# KiCad board scanhead_pcb.kicad_pcb (continued)
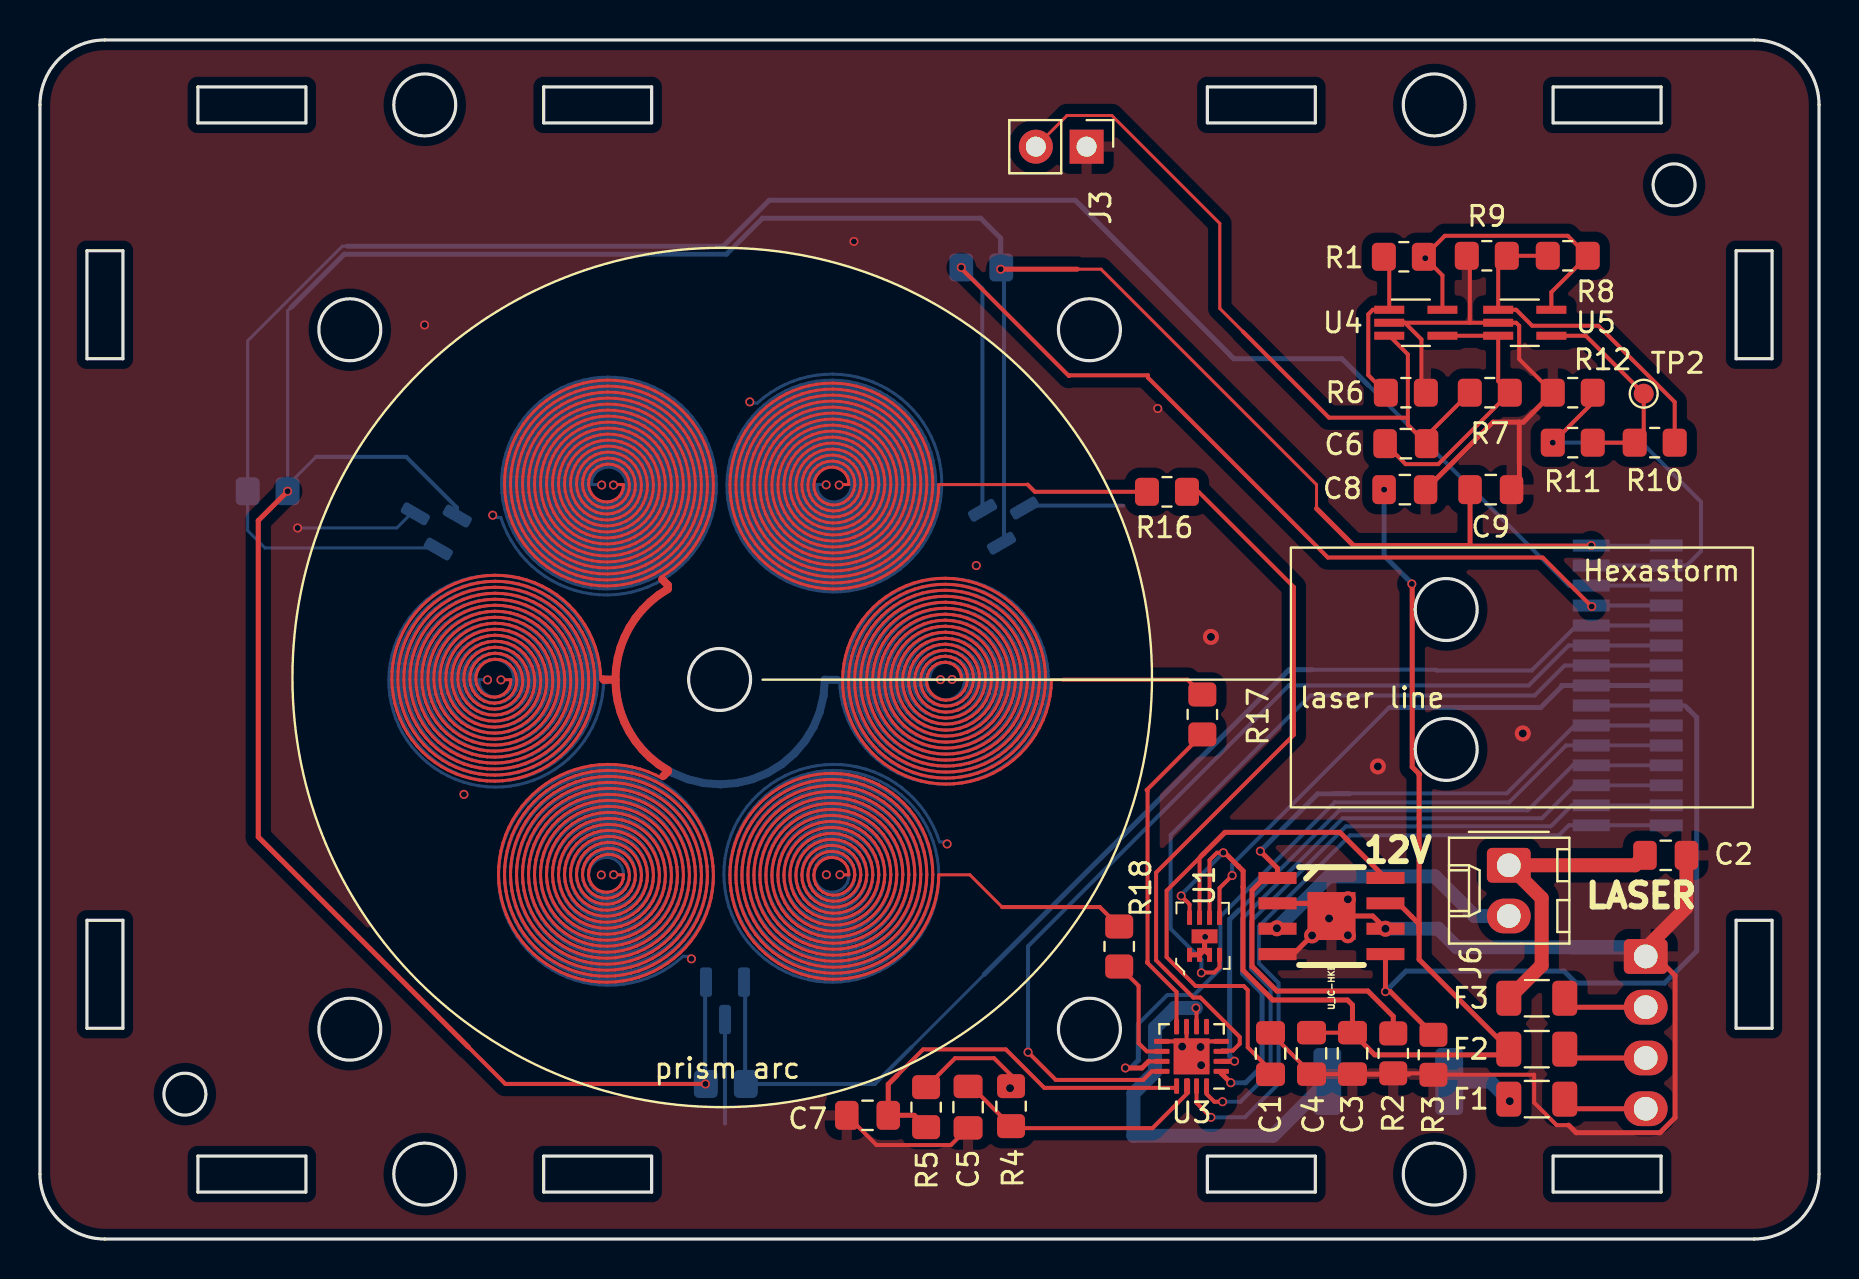
[diagram p0: board, top side]
## Routing (per net, layer and track width the routed paths; a pad name or vN(x,y) marks a point on that pad's centre or on a via; arc(x,y) is an arc through that point) (continued)
  Top w0.15: 40.01,37.75 40.46,37.75 40.45,37.96 40.38,38.17 40.26,38.35 40.09,38.49 39.89,38.59 39.66,38.63 39.43,38.61 39.21,38.53 39.02,38.4 38.86,38.22 38.76,38 38.71,37.75 38.73,37.5 38.82,37.27 38.97,37.06 39.16,36.89 39.4,36.78 39.66,36.73 39.93,36.75 40.19,36.84 40.42,37 40.6,37.22 40.71,37.47 40.76,37.75 40.75,38 40.67,38.24 40.55,38.46 40.38,38.65 40.16,38.79 39.92,38.89 39.66,38.93 39.4,38.91 39.15,38.83 38.91,38.7 38.71,38.51 38.56,38.29 38.46,38.03 38.41,37.75 38.44,37.47 38.52,37.2 38.66,36.95 38.86,36.74 39.1,36.58 39.37,36.47 39.66,36.43 39.96,36.45 40.25,36.54 40.51,36.69 40.73,36.9 40.91,37.16 41.02,37.44 41.06,37.75 41.05,38.03 40.98,38.3 40.85,38.55 40.68,38.77 40.47,38.96 40.22,39.1 39.95,39.19 39.66,39.23 39.37,39.21 39.09,39.13 38.83,39 38.59,38.82 38.4,38.6 38.25,38.34 38.15,38.05 38.11,37.75 38.14,37.45 38.22,37.15 38.35,36.88 38.54,36.63 38.78,36.43 39.05,36.27 39.35,36.17 39.66,36.13 39.98,36.15 40.29,36.24 40.58,36.38 40.84,36.58 41.05,36.82 41.22,37.11 41.32,37.42 41.36,37.75 41.35,38.05 41.28,38.34 41.16,38.62 40.99,38.87 40.78,39.09 40.54,39.27 40.27,39.41 39.97,39.49 39.66,39.53 39.35,39.51 39.05,39.44 38.76,39.31 38.5,39.14 38.27,38.92 38.08,38.67 37.94,38.38 37.85,38.07 37.81,37.75 37.83,37.43 37.91,37.12 38.04,36.82 38.22,36.54 38.45,36.3 38.71,36.11 39.01,35.96 39.33,35.87 39.66,35.83 40,35.85 40.33,35.93 40.64,36.07 40.92,36.25 41.17,36.49 41.37,36.77 41.53,37.08 41.63,37.41 41.66,37.75 41.65,38.07 41.58,38.38 41.47,38.67 41.31,38.95 41.11,39.19 40.87,39.41 40.6,39.58 40.3,39.71 39.99,39.8 39.66,39.83 39.34,39.81 39.02,39.74 38.71,39.62 38.43,39.46 38.17,39.25 37.95,39 37.77,38.72 37.63,38.41 37.55,38.09 37.51,37.75 37.53,37.42 37.61,37.08 37.73,36.77 37.9,36.47 38.12,36.21 38.37,35.98 38.66,35.79 38.98,35.65 39.32,35.56 39.66,35.53 40.01,35.55 40.36,35.62 40.68,35.75 40.99,35.93 41.26,36.15 41.5,36.42 41.69,36.72 41.84,37.05 41.93,37.4 41.96,37.75 41.95,38.08 41.88,38.41 41.78,38.72 41.62,39.01 41.43,39.28 41.2,39.52 40.93,39.73 40.64,39.9 40.33,40.02 40,40.1 39.66,40.13 39.33,40.11 38.99,40.05 38.67,39.93 38.37,39.77 38.09,39.57 37.84,39.34 37.63,39.06 37.45,38.76 37.33,38.44 37.25,38.1 37.21,37.75 37.23,37.4 37.3,37.06 37.42,36.73 37.58,36.41 37.79,36.13 38.03,35.87 38.31,35.65 38.62,35.48 38.96,35.34 39.31,35.26 39.66,35.23 40.02,35.25 40.38,35.32 40.72,35.44 41.04,35.61 41.34,35.82 41.6,36.07 41.83,36.36 42.01,36.68 42.15,37.03 42.23,37.38 42.26,37.75 42.25,38.09 42.19,38.43 42.08,38.76 41.94,39.07 41.75,39.36 41.53,39.62 41.27,39.85 40.99,40.05 40.68,40.21 40.35,40.33 40.01,40.4 39.66,40.43 39.31,40.41 38.97,40.35 38.63,40.24 38.31,40.09 38.02,39.9 37.75,39.67 37.51,39.41 37.3,39.12 37.14,38.8 37.02,38.46 36.94,38.11 36.91,37.75 36.93,37.39 37,37.04 37.11,36.69 37.26,36.37 37.46,36.06 37.69,35.78 37.96,35.54 38.26,35.33 38.59,35.16 38.94,35.04 39.3,34.96 39.66,34.93 40.03,34.95 40.4,35.01 40.75,35.13 41.09,35.29 41.4,35.49 41.69,35.73 41.94,36.01 42.15,36.32 42.33,36.65 42.45,37.01 42.53,37.38 42.56,37.75 42.55,38.1 42.49,38.45 42.39,38.79 42.25,39.11 42.07,39.42 41.86,39.7 41.61,39.95 41.34,40.18 41.04,40.37 40.71,40.52 40.37,40.63 40.02,40.7 39.66,40.73 39.31,40.71 38.95,40.65 38.6,40.55 38.27,40.41 37.96,40.23 37.67,40.01 37.41,39.75 37.18,39.47 36.98,39.16 36.83,38.83 36.71,38.48 36.64,38.12 36.61,37.75 36.63,37.39 36.69,37.02 36.8,36.67 36.94,36.33 37.13,36 37.36,35.71 37.62,35.44 37.91,35.21 38.22,35.01 38.56,34.85 38.92,34.73 39.29,34.66 39.66,34.63 40.04,34.65 40.42,34.71 40.78,34.82 41.13,34.97 41.46,35.16 41.76,35.39 42.03,35.65 42.27,35.95 42.48,36.28 42.64,36.63 42.76,36.99 42.84,37.37 42.86,37.75 42.85,38.11 42.79,38.47 42.7,38.82 42.57,39.15 42.4,39.47 42.19,39.77 41.95,40.04 41.69,40.29 41.39,40.5 41.08,40.69 40.74,40.83 40.39,40.94 40.03,41 39.66,41.03 39.3,41.01 38.93,40.96 38.58,40.86 38.23,40.72 37.91,40.55 37.6,40.34 37.32,40.1 37.07,39.82 36.85,39.52 36.67,39.2 36.52,38.85 36.41,38.5 36.34,38.13 36.31,37.75 36.33,37.38 36.39,37.01 36.49,36.64 36.63,36.29 36.81,35.96 37.02,35.65 37.27,35.36 37.55,35.1 37.86,34.88 38.19,34.69 38.54,34.54 38.9,34.43 39.28,34.36 39.66,34.33 40.05,34.34 40.43,34.4 40.8,34.51 41.16,34.65 41.5,34.83 41.82,35.05 42.11,35.31 42.38,35.59 42.61,35.91 42.8,36.24 42.95,36.6 43.07,36.98 43.14,37.36 43.16,37.75 43.15,38.12 43.1,38.48 43.01,38.84 42.88,39.19 42.72,39.52 42.52,39.83 42.29,40.12 42.03,40.38 41.75,40.62 41.44,40.83 41.11,41 40.76,41.14 40.41,41.24 40.04,41.3 39.66,41.33 39.29,41.31 38.92,41.26 38.56,41.17 38.2,41.04 37.86,40.87 37.55,40.67 37.25,40.44 36.98,40.17 36.74,39.88 36.53,39.57 36.35,39.23 36.21,38.88 36.1,38.51 36.04,38.13 36.01,37.75 36.03,37.37 36.08,36.99 36.18,36.62 36.31,36.26 36.48,35.92 36.69,35.59 36.93,35.29 37.2,35.01 37.49,34.76 37.81,34.55 38.16,34.37 38.52,34.23 38.89,34.12 39.28,34.05 39.66,34.03 40.05,34.04 40.44,34.1 40.82,34.2 41.19,34.33 41.54,34.51 41.87,34.72 42.18,34.96 42.46,35.23 42.71,35.54 42.93,35.87 43.12,36.22 43.26,36.58 43.37,36.97 43.44,37.36 43.46,37.75 43.45,38.13 43.4,38.5 43.31,38.86 43.19,39.22 43.04,39.56 42.85,39.88 42.63,40.19 42.38,40.47 42.1,40.72 41.8,40.95 41.48,41.15 41.14,41.32 40.79,41.45 40.42,41.55 40.04,41.61 39.66,41.63 39.28,41.61 38.91,41.56 38.54,41.48 38.17,41.35 37.83,41.19 37.5,41 37.19,40.77 36.9,40.52 36.64,40.24 36.4,39.93 36.2,39.6 36.03,39.26 35.9,38.9 35.8,38.52 35.74,38.14 35.71,37.75 35.73,37.37 35.78,36.98 35.87,36.6 36,36.23 36.16,35.88 36.36,35.54 36.59,35.23 36.84,34.93 37.13,34.67 37.44,34.43 37.78,34.22 38.13,34.05 38.5,33.92 38.88,33.82 39.27,33.75 39.66,33.73 40.06,33.74 40.45,33.8 40.84,33.89 41.21,34.02 41.57,34.18 41.92,34.38 42.24,34.62 42.54,34.88 42.81,35.17 43.05,35.49 43.26,35.83 43.44,36.19 43.57,36.57 43.68,36.96 43.74,37.35 43.76,37.75 43.75,38.13 43.7,38.51 43.62,38.88 43.5,39.24 43.35,39.59 43.17,39.93 42.96,40.24 42.72,40.54 42.45,40.81 42.16,41.06 41.85,41.28 41.52,41.47 41.17,41.63 40.8,41.76 40.43,41.85 40.05,41.91 39.66,41.93 39.28,41.92 38.9,41.87 38.52,41.78 38.15,41.66 37.79,41.51 37.45,41.33 37.13,41.11 36.83,40.87 36.55,40.59 36.3,40.3 36.07,39.98 35.88,39.64 35.72,39.28 35.59,38.91 35.5,38.53 35.44,38.15 35.41,37.75 35.43,37.36 35.48,36.97 35.56,36.59 35.69,36.21 35.84,35.85 36.03,35.5 36.25,35.17 36.5,34.87 36.77,34.58 37.08,34.33 37.4,34.1 37.75,33.9 38.11,33.74 38.48,33.61 38.87,33.51 39.27,33.45 39.66,33.43 40.06,33.44 40.46,33.49 40.85,33.58 41.23,33.7 41.6,33.86 41.96,34.05 42.29,34.28 42.6,34.53 42.89,34.81 43.15,35.12 43.38,35.45 43.58,35.8 43.75,36.17 43.88,36.55 43.98,36.95 44.04,37.35 44.06,37.75 44.05,38.14 44.01,38.52 43.93,38.9 43.81,39.26 43.67,39.62 43.5,39.97 43.29,40.29 43.06,40.6 42.8,40.89 42.52,41.16 42.21,41.4 41.89,41.61 41.55,41.79 41.19,41.94 40.82,42.06 40.44,42.15 40.05,42.21 39.66,42.23 39.27,42.22 38.89,42.17 38.5,42.09 38.13,41.97 37.76,41.83 37.41,41.65 37.08,41.44 36.77,41.21 36.47,40.94 36.2,40.66 35.96,40.35 35.75,40.02 35.56,39.67 35.4,39.3 35.28,38.93 35.19,38.54 35.14,38.15 35.11,37.75 35.13,37.36 35.18,36.96 35.26,36.57 35.37,36.19 35.52,35.82 35.7,35.47 35.91,35.13 36.15,34.81 36.42,34.51 36.71,34.24 37.03,33.99 37.36,33.77 37.72,33.58 38.09,33.42 38.47,33.3 38.86,33.21 39.26,33.15 39.66,33.13 40.07,33.14 40.47,33.19 40.86,33.27 41.25,33.39 41.63,33.54 41.99,33.73 42.33,33.94 42.66,34.19 42.96,34.46 43.24,34.75 43.49,35.07 43.71,35.42 43.91,35.78 44.07,36.15 44.19,36.54 44.28,36.94 44.34,37.34 44.36,37.75 44.35,38.14 44.31,38.53 44.23,38.91 44.12,39.28 43.99,39.65 43.82,40 43.62,40.34 43.4,40.66 43.15,40.96 42.87,41.24 42.58,41.5 42.26,41.73 41.93,41.93 41.57,42.11 41.21,42.26 40.83,42.37 40.45,42.46 40.06,42.51 39.66,42.53 39.27,42.52 38.88,42.47 38.49,42.39 38.11,42.28 37.74,42.14 37.38,41.97 37.04,41.77 36.71,41.55 36.41,41.29 36.12,41.01 35.86,40.71 35.63,40.39 35.42,40.05 35.24,39.69 35.09,39.32 34.97,38.94 34.89,38.55 34.83,38.15 34.81,37.75 34.83,37.35 34.87,36.95 34.95,36.56 35.06,36.17 35.2,35.8 35.38,35.43 35.58,35.09 35.81,34.76 36.07,34.44 36.35,34.16 36.66,33.89 36.99,33.65 37.33,33.44 37.69,33.26 38.07,33.11 38.46,32.99 38.86,32.9 39.26,32.85 39.66,32.83 40.07,32.84 40.48,32.89 40.88,32.97 41.27,33.08 41.65,33.23 42.02,33.4 42.37,33.61 42.71,33.84 43.02,34.1 43.32,34.39 43.59,34.7 43.83,35.03 44.04,35.39 44.23,35.75 44.38,36.14 44.5,36.53 44.59,36.93 44.64,37.34 44.66,37.75 44.65,38.15 44.61,38.54 44.54,38.92 44.43,39.3 44.3,39.67 44.14,40.03 43.95,40.38 43.73,40.71 43.49,41.02 43.23,41.32 42.94,41.59 42.63,41.84 42.3,42.06 41.96,42.26 41.6,42.43 41.23,42.57 40.85,42.68 40.46,42.76 40.06,42.81 39.66,42.83 39.27,42.82 38.87,42.77 38.48,42.7 38.09,42.59 37.72,42.46 37.35,42.3 37,42.1 36.66,41.88 36.35,41.64 36.05,41.37 35.77,41.08 35.52,40.76 35.3,40.43 35.1,40.08 34.92,39.72 34.78,39.34 34.67,38.95 34.59,38.56 34.53,38.16 34.51,37.75 34.53,37.35 34.57,36.95 34.65,36.55 34.75,36.16 34.89,35.78 35.06,35.41 35.25,35.05 35.47,34.71 35.72,34.39 36,34.09 36.29,33.81 36.61,33.55 36.95,33.32 37.3,33.12 37.67,32.94 38.05,32.8 38.45,32.68 38.85,32.6 39.25,32.55 39.66,32.53 40.07,32.54 40.48,32.59 40.89,32.66 41.28,32.77 41.67,32.91 42.05,33.08 42.41,33.28 42.75,33.5 43.08,33.75 43.39,34.03 43.67,34.33 43.93,34.66 44.16,35 44.37,35.36 44.54,35.73 44.69,36.12 44.81,36.52 44.89,36.93 44.94,37.34 44.96,37.75 49.41,37.75 ; 31.16,23.03 30.8,23.22 30.41,23.38 30.02,23.52 29.62,23.62 29.21,23.7 28.8,23.74 28.39,23.75 27.98,23.73 27.57,23.68 27.16,23.6 26.77,23.49 26.38,23.35 26,23.18 25.64,22.99 25.29,22.77 24.96,22.52 24.66,22.25 24.37,21.96 24.1,21.64 23.86,21.31 23.65,20.96 23.46,20.6 23.3,20.22 23.17,19.84 23.07,19.44 22.99,19.04 22.95,18.63 22.94,18.22 22.96,17.82 23.01,17.41 23.09,17.01 23.2,16.62 23.33,16.24 23.5,15.87 23.69,15.51 23.91,15.17 24.15,14.85 24.42,14.54 24.71,14.26 25.02,14 25.35,13.76 25.69,13.55 26.05,13.36 26.42,13.2 26.8,13.08 27.19,12.97 27.59,12.9 27.99,12.86 28.39,12.85 28.79,12.87 29.19,12.92 29.58,13 29.97,13.1 30.35,13.24 30.71,13.4 31.06,13.59 31.4,13.81 31.72,14.05 32.02,14.31 32.3,14.6 32.56,14.9 32.79,15.22 33,15.56 33.18,15.92 33.34,16.28 33.47,16.66 33.57,17.04 33.64,17.43 33.68,17.83 33.69,18.22 33.67,18.64 33.62,19.05 33.53,19.46 33.42,19.86 33.27,20.25 33.09,20.62 32.89,20.98 32.65,21.32 32.39,21.65 32.11,21.95 31.8,22.22 31.48,22.48 31.13,22.7 30.77,22.9 30.4,23.07 30.01,23.21 29.61,23.32 29.21,23.39 28.8,23.44 28.39,23.45 27.98,23.43 27.57,23.38 27.17,23.29 26.78,23.18 26.4,23.03 26.03,22.86 25.67,22.66 25.34,22.43 25.02,22.17 24.72,21.89 24.45,21.59 24.2,21.27 23.98,20.93 23.78,20.57 23.61,20.2 23.48,19.82 23.37,19.43 23.3,19.03 23.25,18.63 23.24,18.22 23.26,17.82 23.31,17.42 23.39,17.03 23.51,16.64 23.65,16.26 23.82,15.9 24.02,15.55 24.25,15.22 24.5,14.9 24.77,14.61 25.07,14.34 25.39,14.09 25.72,13.88 26.08,13.68 26.44,13.52 26.82,13.38 27.2,13.28 27.59,13.2 27.99,13.16 28.39,13.15 28.79,13.17 29.18,13.22 29.57,13.3 29.95,13.41 30.32,13.55 30.68,13.72 31.03,13.92 31.35,14.14 31.66,14.39 31.95,14.66 32.22,14.96 32.46,15.27 32.68,15.6 32.86,15.94 33.03,16.3 33.16,16.68 33.26,17.06 33.34,17.44 33.38,17.83 33.39,18.22 33.37,18.64 33.31,19.05 33.23,19.45 33.1,19.84 32.95,20.23 32.77,20.59 32.55,20.94 32.31,21.28 32.04,21.59 31.75,21.87 31.43,22.14 31.1,22.37 30.74,22.58 30.38,22.75 29.99,22.9 29.6,23.01 29.2,23.09 28.8,23.14 28.39,23.15 27.98,23.13 27.58,23.07 27.18,22.99 26.8,22.87 26.42,22.72 26.06,22.54 25.71,22.32 25.38,22.09 25.08,21.82 24.8,21.53 24.54,21.22 24.31,20.89 24.1,20.54 23.93,20.18 23.79,19.8 23.68,19.42 23.6,19.02 23.55,18.63 23.54,18.22 23.56,17.82 23.61,17.43 23.7,17.04 23.82,16.66 23.97,16.28 24.14,15.93 24.35,15.59 24.59,15.27 24.85,14.96 25.13,14.69 25.44,14.43 25.76,14.2 26.11,14 26.46,13.83 26.83,13.69 27.21,13.58 27.6,13.51 27.99,13.46 28.39,13.45 28.78,13.47 29.17,13.52 29.56,13.61 29.93,13.72 30.3,13.87 30.65,14.05 30.99,14.25 31.3,14.48 31.6,14.74 31.87,15.02 32.12,15.32 32.35,15.64 32.54,15.98 32.71,16.33 32.85,16.69 32.96,17.07 33.03,17.45 33.08,17.84 33.09,18.22 33.07,18.63 33.01,19.04 32.92,19.44 32.79,19.83 32.63,20.2 32.44,20.56 32.22,20.9 31.96,21.22 31.69,21.52 31.38,21.79 31.06,22.04 30.71,22.25 30.35,22.44 29.98,22.59 29.59,22.7 29.19,22.79 28.79,22.84 28.39,22.85 27.99,22.83 27.59,22.77 27.2,22.68 26.81,22.56 26.44,22.4 26.09,22.21 25.75,21.99 25.44,21.74 25.15,21.47 24.88,21.17 24.64,20.85 24.43,20.51 24.25,20.16 24.1,19.79 23.98,19.41 23.9,19.02 23.85,18.62 23.84,18.22 23.86,17.83 23.92,17.44 24.01,17.05 24.13,16.67 24.28,16.31 24.47,15.96 24.69,15.63 24.93,15.32 25.2,15.03 25.49,14.77 25.81,14.54 26.14,14.33 26.49,14.15 26.85,14 27.23,13.89 27.61,13.81 28,13.76 28.39,13.75 28.78,13.77 29.17,13.83 29.54,13.91 29.91,14.04 30.27,14.19 30.61,14.37 30.94,14.58 31.24,14.82 31.53,15.09 31.79,15.38 32.02,15.68 32.22,16.01 32.4,16.36 32.54,16.71 32.65,17.08 32.73,17.46 32.78,17.84 32.79,18.22 32.77,18.63 32.71,19.03 32.61,19.43 32.48,19.81 32.31,20.18 32.11,20.53 31.88,20.86 31.62,21.17 31.33,21.45 31.01,21.7 30.68,21.92 30.33,22.12 29.96,22.27 29.58,22.4 29.19,22.48 28.79,22.54 28.39,22.55 27.99,22.53 27.6,22.47 27.21,22.37 26.83,22.24 26.47,22.08 26.13,21.88 25.8,21.65 25.5,21.4 25.22,21.11 24.97,20.8 24.75,20.48 24.57,20.13 24.41,19.77 24.29,19.39 24.2,19.01 24.15,18.62 24.14,18.22 24.16,17.83 24.22,17.45 24.31,17.07 24.44,16.7 24.6,16.34 24.8,16 25.02,15.68 25.27,15.39 25.55,15.11 25.85,14.87 26.18,14.65 26.52,14.47 26.87,14.32 27.24,14.2 27.62,14.11 28,14.06 28.39,14.05 28.77,14.07 29.16,14.13 29.53,14.22 29.89,14.35 30.24,14.51 30.57,14.7 30.89,14.92 31.18,15.17 31.45,15.44 31.69,15.74 31.9,16.05 32.08,16.39 32.23,16.74 32.35,17.1 32.43,17.47 32.48,17.85 32.49,18.22 32.47,18.63 32.4,19.02 32.3,19.41 32.16,19.79 31.98,20.15 31.78,20.49 31.53,20.81 31.26,21.1 30.96,21.36 30.64,21.59 30.3,21.8 29.94,21.96 29.56,22.09 29.18,22.18 28.78,22.24 28.39,22.25 28,22.23 27.61,22.16 27.23,22.06 26.86,21.93 26.5,21.75 26.17,21.55 25.86,21.31 25.57,21.04 25.31,20.75 25.08,20.44 24.89,20.1 24.72,19.74 24.6,19.38 24.51,19 24.45,18.61 24.44,18.22 24.46,17.84 24.52,17.46 24.62,17.08 24.76,16.72 24.93,16.37 25.13,16.05 25.36,15.74 25.62,15.46 25.91,15.2 26.22,14.98 26.55,14.79 26.9,14.63 27.26,14.5 27.63,14.42 28.01,14.36 28.39,14.35 28.77,14.37 29.14,14.43 29.51,14.53 29.87,14.66 30.21,14.83 30.53,15.03 30.83,15.25 31.1,15.51 31.35,15.79 31.57,16.1 31.76,16.42 31.92,16.76 32.04,17.12 32.13,17.48 32.18,17.85 32.19,18.22 32.16,18.62 32.1,19.01 31.99,19.39 31.84,19.76 31.66,20.11 31.44,20.44 31.19,20.74 30.91,21.02 30.6,21.26 30.26,21.47 29.91,21.65 29.55,21.78 29.17,21.88 28.78,21.93 28.39,21.95 28,21.92 27.62,21.86 27.24,21.75 26.88,21.61 26.54,21.43 26.22,21.21 25.92,20.97 25.65,20.69 25.41,20.39 25.21,20.06 25.04,19.72 24.9,19.36 24.81,18.99 24.75,18.61 24.74,18.22 24.76,17.84 24.83,17.47 24.93,17.1 25.07,16.75 25.25,16.41 25.46,16.1 25.7,15.81 25.97,15.54 26.27,15.31 26.59,15.11 26.93,14.94 27.28,14.81 27.64,14.72 28.02,14.66 28.39,14.65 28.76,14.67 29.13,14.74 29.49,14.84 29.84,14.98 30.16,15.15 30.47,15.36 30.76,15.59 31.02,15.86 31.25,16.15 31.44,16.46 31.61,16.79 31.73,17.14 31.82,17.5 31.88,17.86 31.89,18.22 31.86,18.62 31.79,19 31.68,19.38 31.52,19.73 31.33,20.07 31.1,20.39 30.84,20.67 30.54,20.93 30.23,21.15 29.88,21.33 29.53,21.47 29.15,21.57 28.77,21.63 28.39,21.65 28.01,21.62 27.63,21.55 27.26,21.44 26.91,21.29 26.58,21.1 26.27,20.88 25.99,20.62 25.75,20.33 25.53,20.02 25.35,19.69 25.21,19.34 25.11,18.97 25.06,18.6 25.04,18.22 25.07,17.85 25.13,17.48 25.24,17.12 25.39,16.78 25.58,16.46 25.8,16.16 26.05,15.88 26.33,15.64 26.63,15.43 26.96,15.25 27.3,15.12 27.66,15.02 28.02,14.97 28.39,14.95 28.76,14.98 29.12,15.04 29.47,15.15 29.8,15.29 30.12,15.47 30.41,15.69 30.68,15.94 30.92,16.21 31.12,16.51 31.29,16.83 31.43,17.16 31.52,17.51 31.57,17.87 31.59,18.22 31.56,18.61 31.49,18.99 31.37,19.35 31.2,19.7 31,20.03 30.76,20.32 30.48,20.59 30.18,20.82 29.85,21.01 29.5,21.16 29.14,21.27 28.77,21.33 28.39,21.35 28.01,21.32 27.64,21.25 27.29,21.13 26.95,20.97 26.63,20.77 26.34,20.54 26.08,20.27 25.86,19.97 25.67,19.65 25.52,19.31 25.42,18.96 25.36,18.59 25.34,18.22 25.37,17.86 25.44,17.5 25.55,17.15 25.71,16.82 25.9,16.51 26.13,16.23 26.39,15.97 26.68,15.75 27,15.57 27.33,15.43 27.67,15.33 28.03,15.27 28.39,15.25 28.75,15.28 29.1,15.35 29.44,15.46 29.76,15.61 30.06,15.8 30.34,16.02 30.59,16.28 30.8,16.56 30.98,16.87 31.12,17.19 31.22,17.53 31.27,17.87 31.29,18.22 31.26,18.6 31.18,18.97 31.05,19.33 30.88,19.66 30.67,19.97 30.41,20.25 30.13,20.49 29.81,20.69 29.48,20.85 29.12,20.97 28.76,21.03 28.39,21.05 28.02,21.02 27.66,20.94 27.32,20.82 26.99,20.65 26.69,20.44 26.42,20.2 26.18,19.92 25.99,19.61 25.83,19.28 25.72,18.94 25.66,18.58 25.64,18.22 25.67,17.87 25.75,17.52 25.87,17.18 26.03,16.86 26.23,16.57 26.47,16.31 26.74,16.08 27.04,15.89 27.36,15.74 27.69,15.63 28.04,15.57 28.39,15.55 28.74,15.58 29.08,15.65 29.41,15.77 29.71,15.93 30,16.13 30.25,16.36 30.48,16.62 30.66,16.91 30.81,17.22 30.91,17.55 30.97,17.88 30.99,18.22 30.96,18.59 30.87,18.95 30.74,19.3 30.55,19.62 30.33,19.91 30.07,20.16 29.77,20.37 29.45,20.54 29.1,20.66 28.75,20.73 28.39,20.75 28.03,20.72 27.68,20.63 27.35,20.5 27.04,20.33 26.76,20.11 26.51,19.85 26.31,19.56 26.14,19.25 26.03,18.92 25.96,18.57 25.94,18.22 25.97,17.88 26.05,17.54 26.18,17.22 26.35,16.92 26.56,16.64 26.81,16.4 27.09,16.2 27.39,16.05 27.72,15.93 28.05,15.87 28.39,15.85 28.73,15.88 29.05,15.96 29.37,16.08 29.66,16.25 29.92,16.46 30.15,16.7 30.35,16.97 30.5,17.26 30.61,17.57 30.67,17.9 30.69,18.22 30.65,18.58 30.56,18.93 30.42,19.26 30.23,19.56 29.99,19.82 29.71,20.05 29.41,20.23 29.08,20.36 28.74,20.43 28.39,20.45 28.04,20.42 27.71,20.33 27.39,20.19 27.1,20 26.84,19.77 26.63,19.51 26.45,19.21 26.33,18.89 26.26,18.56 26.24,18.22 26.27,17.89 26.36,17.57 26.49,17.26 26.67,16.98 26.9,16.73 27.15,16.52 27.44,16.36 27.74,16.24 28.06,16.17 28.39,16.15 28.71,16.18 29.03,16.27 29.32,16.4 29.59,16.57 29.83,16.78 30.03,17.03 30.19,17.31 30.31,17.6 30.37,17.91 30.39,18.22 30.35,18.57 30.25,18.9 30.1,19.21 29.9,19.49 29.65,19.73 29.36,19.91 29.05,20.05 28.73,20.13 28.39,20.15 28.06,20.11 27.74,20.02 27.44,19.87 27.17,19.67 26.95,19.44 26.77,19.16 26.64,18.86 26.56,18.55 26.54,18.22 26.58,17.91 26.67,17.6 26.81,17.31 27,17.06 27.23,16.84 27.49,16.67 27.78,16.54 28.08,16.47 28.39,16.45 28.7,16.49 28.99,16.57 29.26,16.71 29.51,16.89 29.72,17.11 29.88,17.36 30,17.64 30.07,17.93 30.09,18.22 30.05,18.55 29.94,18.87 29.78,19.15 29.57,19.4 29.31,19.6 29.02,19.74 28.71,19.83 28.39,19.85 28.07,19.81 27.77,19.71 27.5,19.55 27.27,19.35 27.08,19.1 26.94,18.83 26.86,18.53 26.84,18.22 26.88,17.92 26.97,17.64 27.12,17.38 27.32,17.16 27.55,16.98 27.82,16.84 28.1,16.77 28.39,16.75 28.68,16.79 28.95,16.88 29.19,17.02 29.41,17.21 29.58,17.43 29.7,17.68 29.77,17.95 29.79,18.22 29.74,18.53 29.63,18.82 29.46,19.08 29.24,19.29 28.97,19.44 28.69,19.53 28.39,19.55 28.1,19.51 27.82,19.4 27.58,19.24 27.39,19.02 27.24,18.78 27.16,18.51 27.14,18.22 27.18,17.95 27.28,17.69 27.44,17.47 27.64,17.28 27.87,17.15 28.13,17.07 28.39,17.05 28.65,17.09 28.89,17.19 29.1,17.33 29.27,17.52 29.4,17.74 29.47,17.98 29.49,18.22 29.44,18.51 29.32,18.76 29.14,18.98 28.91,19.13 28.66,19.23 28.39,19.25 28.13,19.2 27.89,19.09 27.69,18.92 27.55,18.71 27.46,18.47 27.44,18.22 27.48,17.98 27.59,17.76 27.74,17.58 27.94,17.45 28.16,17.37 28.39,17.35 28.61,17.39 28.81,17.49 28.98,17.63 29.1,17.81 29.17,18.01 29.19,18.22 28.74,18.22 ; 28.05,27.99 28.03,28.4 27.98,28.82 27.89,29.22 27.78,29.62 27.63,30.01 27.45,30.39 27.25,30.74 27.02,31.09 26.76,31.41 26.47,31.71 26.17,31.99 25.84,32.24 25.5,32.47 25.13,32.66 24.76,32.83 24.37,32.97 23.97,33.08 23.57,33.16 23.16,33.2 22.75,33.21 22.34,33.19 21.94,33.14 21.53,33.06 21.14,32.94 20.76,32.8 20.39,32.62 20.04,32.42 19.7,32.19 19.38,31.94 19.08,31.66 18.81,31.36 18.56,31.03 18.34,30.69 18.14,30.34 17.98,29.97 17.84,29.59 17.73,29.19 17.66,28.8 17.61,28.39 17.6,27.99 17.62,27.59 17.67,27.18 17.76,26.79 17.87,26.4 18.01,26.03 18.18,25.66 18.38,25.31 18.61,24.98 18.86,24.67 19.14,24.37 19.43,24.1 19.75,23.86 20.09,23.64 20.44,23.45 20.8,23.28 21.18,23.15 21.56,23.04 21.96,22.97 22.35,22.93 22.75,22.91 23.15,22.93 23.54,22.98 